# KiCad board 8851_HW-U1-VCU118_REV2-0_071417.kicad_pcb (continued)
## Routing (per net, layer and track width the routed paths; a pad name or vN(x,y) marks a point on that pad's centre or on a via; arc(x,y) is an arc through that point) (continued)
PCIE_TX15_C_P: length 14.5
  TOP w0.145: 124.59,15.38 124.59,14.07 v3(124.66,14)
  10_GND w0.16: U2.A80 124.66,5.23 arc(125.58,5.05) 124.8,5.57 124.96,5.74 arc(125,5.8) 125.02,5.88 125.02,13.57 arc(125.01,13.64) 124.97,13.69 v3(124.66,14)
PCIE_TX15_N: length 45.2
  TOP w0.145: v3(125.64,17.74) 125.71,17.67 125.71,16.36 ; v2(138.03,45.12) 137.54,45.61
  05_SIG2 w0.18: v3(125.64,17.74) 125.56,17.82 arc(126.88,18.7) 125.32,18.39 125.32,18.61 arc(125.39,18.77) 125.55,18.84 125.76,18.84 arc(126.12,19.2) 125.76,19.56 125.68,19.56 arc(125.94,20.17) 125.32,19.92 125.32,20.47 arc(126.02,20.33) 125.43,20.73 125.66,20.96 arc(125.83,21.22) 125.89,21.52 125.89,21.76 arc(126.01,22.34) 126.34,22.84 127.7,24.2 arc(128.17,24.91) 128.34,25.74 128.34,26.21 arc(129.44,26) 128.51,26.62 129.02,27.14 arc(129.16,27.23) 129.32,27.26 arc(129.73,27.34) 130.08,27.58 131.77,29.26 arc(132.34,30.12) 132.54,31.13 132.54,33.02 arc(132.85,34.57) 133.73,35.89 136.63,38.78 arc(136.91,39.2) 137.01,39.7 137.01,40.1 arc(137.1,40.55) 137.35,40.94 137.99,41.57 arc(138.14,41.8) 138.2,42.08 arc(138.2,42.15) 138.2,42.22 138.2,42.22 arc(138.22,42.34) 138.29,42.44
  05_SIG2 w0.234: v2(138.03,45.12) 138.42,44.73 arc(138.49,44.62) 138.52,44.48 138.52,44.14 138.52,43 arc(138.46,42.7) 138.29,42.44
PCIE_TX15_P: length 41.8
  TOP w0.145: 124.59,16.36 124.59,17.67 v3(124.66,17.74) ; 137.54,46.6 v2(138.03,46.11)
  05_SIG2 w0.18: v3(124.66,17.74) 124.82,17.9 arc(124.97,18.13) 125.02,18.39 125.02,20.47 arc(125.07,20.73) 125.22,20.94 125.45,21.17 arc(125.56,21.33) 125.59,21.52 125.59,21.76 arc(125.73,22.46) 126.13,23.05 127.49,24.41 arc(127.89,25.02) 128.04,25.74 128.04,26.21 arc(129.71,25.88) 128.29,26.83 128.81,27.35 arc(129.04,27.5) 129.32,27.56 arc(129.62,27.62) 129.87,27.79 131.55,29.47 arc(132.06,30.23) 132.24,31.13 132.24,33.02 arc(132.57,34.69) 133.52,36.1 136.41,38.99 arc(136.63,39.32) 136.71,39.7 136.71,40.1 arc(136.82,40.67) 137.14,41.15 137.77,41.78 arc(137.86,41.92) 137.9,42.08 arc(137.9,42.15) 137.9,42.22 137.9,42.26 arc(137.86,42.42) 137.77,42.57
  05_SIG2 w0.234: v2(138.03,46.11) 137.65,45.73 arc(138.29,45.3) 137.54,45.45 137.54,43.25 arc(137.6,42.89) 137.77,42.57
PCIE_WAKE_B: length 86.7
  TOP w0.15: v3(53.29,18.09) 54.2,17.17 55.1,17.17 56.5,15.78 56.5,10.05 54.38,7.93 54.38,6.35 54.77,5.95 U2.B11
  20_SIG7 w0.087: v3(53.29,18.09) 53.29,18.03 52.89,17.63 47.83,17.63 47.1,16.9 45.08,16.9 42.57,19.41 42.57,32.13 43.25,32.81 44.69,32.81 52.86,40.98 53.91,40.98 57.92,44.99 57.92,46.71 65.1,53.89 65.1,56.83 v3(65.7,57.42)
  BOTTOM w0.15: 60.73,52.33 60.73,53.55 64.61,57.42 v3(65.7,57.42)
PCIE_WAKE_B_LS: length 195.2
  TOP w0.15: v2(136.06,65.79) 135.57,65.3
  05_SIG2 w0.17: v3(51.75,66.13) 51.75,66.53 52.24,67.01 57.38,67.01 62.26,62.12 v3(65.28,62.12)
  14_SIG4 w0.087: v3(80.18,21.44) 78.42,23.19 76.16,23.19 74.86,21.89 68.71,21.89 67.78,22.83 67.78,24.38 67.33,24.83 65.97,24.83 65.7,24.55 65.17,24.55 64.54,25.18 64.54,29.85 62.93,31.46 62.38,31.46 60.89,32.95 60.05,32.95 59.03,33.97 59.03,35.54 57.52,37.05 53.5,37.05 51.82,38.72 51.82,40.14 53.22,41.54 54.4,41.54 57.07,44.21 57.07,51.8 57.73,52.45 57.73,55.55 57.94,55.77 57.94,56.83 52.27,62.5 52.27,65.6 v3(51.75,66.13)
  16_SIG5 w0.087: v2(136.06,65.79) 135.57,66.28 131.92,66.28 131.63,66.57 131.63,67.1 131.46,67.27 128.97,67.27 128.68,66.98 128.68,66.57 128.39,66.28 117,66.28 115.94,65.22 115.08,65.22 113.91,64.06 113.91,57.71 113.63,57.42 113.62,57.42 113.22,57.42 112.93,57.14 112.93,41.95 112.87,41.88 112.87,39.81 109.23,36.17 109.23,29.76 108.21,28.74 108.21,25.81 106.61,24.2 103.45,24.2 101.82,22.57 101.82,21.54 100.84,20.55 99.81,20.55 99.6,20.77 90.91,20.77 90.64,20.49 88.13,20.49 87.64,20.99 80.72,20.99 80.28,21.44 v3(80.18,21.44)
  BOTTOM w0.15: v3(65.28,62.12) 63.55,62.12 60.73,59.31 60.73,58.08
PHY1_CLKOUT: length 179.4
  TOP w0.15: 129.66,64.31 v2(130.15,63.82) ; 29.13,135.9 28.82,135.9 v3(28.32,135.4)
  16_SIG5 w0.087: v3(57.48,78.65) 57.18,78.65 56.68,79.15 56.68,80.04 57.17,80.53 57.17,99.4 58.05,100.28 58.05,104.95 57.55,105.45 57.55,105.7 57.15,106.1 53.3,106.1 51.42,107.98 51.42,125.67 50.8,126.3 50.8,130.6 48.63,132.77 48.63,135.87 48.27,136.22 44.05,136.22 42.13,138.15 40.7,138.15 37.58,135.03 30.27,135.03 29.9,135.4 v3(28.32,135.4)
  BOTTOM w0.15: v2(130.15,63.82) 129.85,63.82 129.07,64.6 128.15,64.6 127.62,65.12 127.2,65.12 126.71,65.62 126.71,65.99 126.41,66.28 117.06,66.28 116.67,66.67 116.67,67.1 115.52,68.25 112.28,68.25 111.92,67.9 111.92,67.54 111.63,67.25 111.25,67.25 111,67 111,66.65 110.67,66.33 108.28,66.33 108.01,66.59 108.01,67.12 107.86,67.27 107.21,67.27 107.02,67.45 107.02,67.95 106.7,68.28 106.1,68.28 105.95,68.42 105.95,69.03 105.7,69.28 105.25,69.28 105.06,69.47 105.06,69.94 104.78,70.22 104.28,70.22 104.07,70.43 104.07,71.05 103.92,71.2 103.22,71.2 103.05,71.38 103.05,71.93 102.79,72.19 102.29,72.19 102.1,72.37 102.1,73 101.93,73.17 101.3,73.17 101.12,73.36 101.12,73.88 100.85,74.15 100.43,74.15 100.13,74.44 100.13,74.86 99.86,75.14 99.41,75.14 99.15,75.4 99.15,75.85 98.87,76.12 88.03,76.12 84.97,79.17 81.25,79.17 80.62,78.55 80.62,75.72 80.33,75.42 65.42,75.42 64.3,76.55 64.3,77.65 62.43,79.52 58.34,79.52 v3(57.48,78.65)
PHY1_GPIO_0: length 240.8
  TOP w0.138: v3(40.5,135.69) 39.64,135.69
  TOP w0.15: v3(39.02,39) 40.01,38.01 64.67,38.01 66.23,36.45 66.23,30.49 67.74,28.98 72.31,28.98 75.18,31.85 80.72,31.85 88.25,39.38 124.41,39.38 v2(126.22,41.18) ; 127.69,63.33 v2(128.19,62.84)
  07_SIG3 w0.17: v3(39.02,39) 38.36,38.34 35.43,38.34 29.77,44 29.77,65.64 28.12,67.29 28.12,73.19 31.81,76.87 31.81,79.08 33.7,80.97 33.7,88.45 38.4,93.15 38.9,93.15 40.55,94.8 40.55,97.57 42.27,99.3 42.27,103.2 41.85,103.63 41.17,103.63 39.95,104.85 39.95,106.67 38.8,107.83 38.8,114.15 36.02,116.92 36.02,125.4 39.08,128.45 39.08,129.78 41.73,132.43 41.73,135.03 41.06,135.69 v3(40.5,135.69)
  14_SIG4 w0.087: v2(128.19,62.84) 127.79,62.44 127.79,59.64 127.45,59.29 127.04,59.29 126.77,59.03 126.77,46.63 126.81,46.6 126.81,44.5 126.68,44.37 126.68,41.65 v2(126.22,41.18)
PHY1_MDC: length 208.6
  TOP w0.102: 33.66,131.98 33.24,131.98 33.12,132.1 33.12,132.33 33.25,132.45 34.38,132.45 34.88,132.95 34.88,133.25 34.99,133.37 U7.16
  TOP w0.15: 130.65,64.31 v2(131.14,63.82) ; 32.8,138.64 32.11,138.64 31.84,138.36 31.47,138.36 31.09,138.36 v3(30.87,138.15) 30.62,138.4 R27.2
  03_SIG1 w0.17: J13.1 20.2,124.75 26.98,124.75 27.62,125.4 27.62,129.3 26.98,129.95 26.98,131.5 26.23,132.25 26.23,136.03 28,137.8 29.32,137.8 29.68,138.15 v3(30.87,138.15)
  16_SIG5 w0.087: v3(57.15,79.47) 57.63,79.96 57.63,92.96 58.67,94 58.67,99.55 58.92,99.8 58.92,105 57,106.93 57,108.12 55.85,109.27 55.38,109.27 54.77,109.88 53.02,109.88 52.02,110.88 52.02,125.72 51.26,126.49 51.26,130.79 49.17,132.89 49.17,138.51 47.38,140.3 44.92,140.3 44.77,140.46 40.86,140.46 40.42,140.03 32.75,140.03 v3(30.87,138.15)
  BOTTOM w0.15: v2(131.14,63.82) 131.14,64.23 130.57,64.81 129.97,64.81 129.5,65.28 128.87,65.28 128.68,65.47 128.68,65.99 128.38,66.28 127.99,66.28 127.69,66.58 127.69,66.97 127.4,67.27 126.99,67.27 126.71,67.55 126.71,67.95 126.41,68.25 117.12,68.25 116.7,68.67 116.7,69.03 115.51,70.22 112.27,70.22 111.9,69.85 111.9,69.45 111.72,69.28 111.22,69.28 111,69.05 111,68.58 110.75,68.33 108.2,68.33 108.03,68.5 108.03,68.92 107.72,69.22 107.28,69.22 107.02,69.48 107.02,69.92 106.73,70.22 106.38,70.22 106.04,70.56 106.04,70.98 105.82,71.2 105.35,71.2 105.08,71.48 105.08,71.95 104.84,72.19 104.41,72.19 104.07,72.53 104.07,72.88 103.78,73.17 103.38,73.17 103.09,73.47 103.09,73.85 102.78,74.16 102.4,74.16 102.1,74.45 102.1,74.84 101.79,75.16 101.4,75.16 101.12,75.44 101.12,75.85 100.84,76.12 100.43,76.12 100.13,76.42 100.13,76.83 99.86,77.11 99.43,77.11 99.16,77.38 99.16,77.81 98.87,78.09 90.83,78.09 87.27,81.65 81.12,81.65 80.88,81.4 80.88,80.47 80.1,79.7 66.17,79.7 65.65,80.22 57.9,80.22 v3(57.15,79.47)
PHY1_MDIO: length 269.4
  TOP w0.15: 32.8,138.15 32.11,138.15 31.98,138.01 31.64,138.01 31.49,138.01 31.08,137.61 31.08,137.38 v3(30.85,137.15) R26.2 ; v3(41.7,39.17) 42.29,38.59 64.71,38.59 66.61,36.69 66.61,30.6 67.89,29.33 72,29.33 74.96,32.28 80.51,32.28 88.24,40.01 124.06,40.01 v2(125.23,41.18) ; 127.69,64.31 v2(128.19,63.82)
  03_SIG1 w0.17: J16.1 20.65,122.58 28.1,122.58 29.93,124.4 29.93,131.22 29.65,131.5 29.65,135.95 v3(30.85,137.15)
  07_SIG3 w0.17: v3(36.62,121.8) 36.62,120.45 38.46,118.62 38.46,117.21 38.42,117.18 38.42,116.2 39.52,115.1 39.52,107.97 40.5,107 40.5,105.08 41.4,104.17 42.25,104.17 43.08,103.35 43.08,96.16 39.07,92.16 39.06,92.16 38.77,91.86 38.77,91.85 36.85,89.94 36.85,84.98 35.01,83.14 35.01,78.95 29.09,73.03 29.09,67.72 29.09,67.1 30.65,65.53 30.65,65.35 30.65,45.09 36,39.75 41.12,39.75 v3(41.7,39.17)
  14_SIG4 w0.087: v2(128.19,63.82) 127.59,63.23 127.59,59.72 127.36,59.49 126.92,59.49 126.6,59.17 126.6,46.56 126.64,46.52 126.64,44.84 126.4,44.6 125.97,44.6 125.8,44.44 125.8,41.75 v2(125.23,41.18)
  16_SIG5 w0.087: v3(36.62,121.8) 22.4,121.8 21.02,120.42 J16.1
PHY1_PDWN_B_I_INT_B_O: length 253.4
  TOP w0.102: 33.03,152.97 33.83,152.97 33.91,152.89 33.91,152.24 35.38,150.78 35.38,148.33 35.05,148 35.05,143.23 35.62,142.65 35.62,141.59 35.48,141.45 U7.44
  TOP w0.138: 42.5,138.93 v3(41.62,138.93) 40.84,138.15 39.64,138.15
  TOP w0.15: v3(32.94,64.62) 30.59,66.97 30.59,88.39 26.23,92.75 v3(22.95,92.75) ; 127.69,65.3 v2(128.19,65.79)
  07_SIG3 w0.17: v3(22.95,92.75) 22.95,96.5 21.6,97.85 21.6,100.67 22,101.08 22,107.3 23.15,108.45 25.43,108.45 30.2,113.22 31.35,113.22 35.35,117.22 35.35,125.97 37.83,128.45 37.83,131.15 39.67,133 39.67,138.2 40.4,138.93 v3(41.62,138.93)
  14_SIG4 w0.087: v2(121.3,41.18) 120.81,41.67 120.81,43.35 121.11,43.65 121.5,43.65 121.78,43.94 121.78,43.96 121.79,43.97 121.79,45.41 121.98,45.61 122.5,45.61 122.76,45.88 122.76,49.34 122.98,49.56 123.06,49.56 123.06,49.56 123.47,49.56 123.47,49.56 123.55,49.56 123.76,49.77 123.76,50.37 123.86,50.47 123.86,60.06 124.08,60.28 124.36,60.28 124.64,60.56 124.64,61.54 124.84,61.74 124.84,62.06 125.02,62.25 125.72,62.25 125.83,62.35 126.5,62.35 126.71,62.56 126.71,64.32 v2(128.19,65.79)
  BOTTOM w0.15: v2(121.3,41.18) 120.69,40.57 84.46,40.57 81.87,37.98 37.06,37.98 35.56,39.49 35.56,60.52 32.94,63.13 v3(32.94,64.62)
PHY1_RESET_B: length 213.5
  TOP w0.102: 35.03,152.97 34.27,152.97 34.14,152.84 34.14,152.34 35.6,150.88 35.6,148.23 35.27,147.91 35.27,143.32 35.85,142.74 35.85,141.55 35.97,141.43 U7.43
  TOP w0.138: 42.5,137.8 41.94,137.8 v3(41.7,137.56) 41.45,137.8 41.07,137.8 41,137.72 40.24,137.72 40.17,137.65 39.64,137.65
  TOP w0.15: 133.6,62.35 v2(134.09,61.85)
  05_SIG2 w0.17: v3(65.3,72.65) 66.24,73.59 66.24,76.78 64.7,78.33 58.6,78.33 55.1,74.83 50.96,74.83 50.41,75.38 v3(49.13,75.38)
  16_SIG5 w0.087: v3(49.13,75.38) 49.44,75.68 49.44,79.05 49.08,79.41 49.08,84.95 43.37,90.66 43.37,92.16 40.61,94.91 40.61,97.39 39.79,98.21 38.71,98.21 38.11,98.81 38.11,106.55 38.73,107.17 38.73,115.42 40,116.7 41,116.7 42.33,118.02 42.33,124.4 41.58,125.15 39.98,125.15 38.95,126.17 38.95,129.78 41.75,132.58 41.75,135.7 41.15,136.3 41.15,137.01 v3(41.7,137.56) 42.07,137.56 43.6,136.03 43.6,135.18 43.95,134.83 44.58,134.83 45.2,134.2 47.45,134.2 48.17,133.48 48.17,131.56 J11.1
  BOTTOM w0.111: 130.65,59.63 130.78,59.49 132.31,59.49 132.52,59.69 132.52,60.28 132.71,60.48 133.32,60.48 133.5,60.66 133.5,61.13 134.09,61.72 v2(134.09,61.85)
  BOTTOM w0.15: v3(65.3,72.65) 67.69,70.26 80.1,70.26 80.92,69.43 80.92,66.95 81.32,66.55 81.9,66.55 82.78,65.67 82.78,61.05 83.44,60.39 88.65,60.39 92.59,64.33 111.53,64.33 112.5,65.3 115.9,65.3 116.58,64.62 126.1,64.62 126.71,64.02 126.71,63.61 126.99,63.33 127.4,63.33 127.68,63.04 127.68,62.65 127.97,62.36 128.36,62.36 128.68,62.05 128.68,61.62 128.94,61.36 129.36,61.36 129.66,61.06 129.66,60.67 129.96,60.38 130.42,60.38 130.65,60.15 130.65,59.63
PHY1_SGMII_CLK_C_N: length 7.4
  TOP w0.102: 40.87,130.85 40.21,130.85 40.15,130.79 39.09,130.79 39.02,130.73 38.37,130.73 38.38,130.74 R205.1 37.93,132.4 37.93,133.36 37.94,133.37 37.94,133.99
  BOTTOM w0.375: 41,131 41,130.8 v3(41.88,129.93)
PHY1_SGMII_CLK_C_P: length 6
  TOP w0.102: 37.45,133.99 37.45,133.58 37.71,133.32 37.71,132.04 37.61,131.93 37.27,131.93 37.27,130.75 37.25,130.73 36.15,130.73 36.14,130.73 34.98,130.73
PHY1_SGMII_CLK_N: length 243.5
  TOP w0.102: 38.37,129.74 v3(38.37,129.07) ; 129.66,63.33 v2(130.15,62.84)
  16_SIG5 w0.075: 116.25,40.97 116.25,40.99 116.29,41.03 116.29,54.83 116.77,55.31 116.77,62.11 117.1,62.44 127.38,62.44 127.6,62.66 127.6,63.11 127.91,63.43 129.46,63.43 129.75,63.13 129.75,62.93 129.84,62.84 v2(130.15,62.84)
  16_SIG5 w0.087: 116.25,40.97 116.25,39.02 118.41,36.86 118.41,33.39 117.02,32 117.02,30.11 114.87,27.96 114.87,23.67 110.99,19.79 110.99,18.65 111.43,18.21 111.43,17.53 110.67,16.77 103.92,16.77 103.39,16.24 99.49,16.24 99.1,16.62 87.41,16.62 86.9,17.14 82.2,17.14 81.68,16.62 78.33,16.62 77.8,17.15 75.46,17.15 73.81,18.8 61.96,18.8 61.2,19.56 61.2,22.04 61.63,22.46 61.63,26.02 61.21,26.43 61.21,31.08 59.41,32.88 59.41,44.64 58.57,45.47 58.57,49.54 60,50.97 60,57.48 57.14,60.33 55.37,60.33 53.33,62.36 53.33,67.85 47.99,73.19 46.88,73.19 46.11,73.96 46.11,78.49 42.05,82.55 42.05,91.98 41.25,92.77 41.25,93.42 37.55,97.12 37.55,107.53 36.22,108.86 36.22,118.52 39.9,122.2 39.9,123.4 37.95,125.35 37.95,127.76 38.03,127.84 38.09,127.84 38.17,127.93 38.17,128.11 38.09,128.19 38.03,128.19 37.95,128.28 37.95,128.86 37.95,128.99 38.03,129.07 v3(38.37,129.07)
PHY1_SGMII_CLK_P: length 243.5
  TOP w0.102: 128.68,63.33 v2(129.17,62.84) ; 37.25,129.75 v3(37.25,129.08)
  16_SIG5 w0.075: 116.53,40.97 116.53,40.99 116.49,41.03 116.49,54.75 116.96,55.22 116.96,62.03 117.19,62.25 127.46,62.25 127.79,62.58 127.79,63.03 127.99,63.23 129.38,63.23 129.56,63.05 129.56,62.91 129.48,62.84 v2(129.17,62.84)
  16_SIG5 w0.087: v3(37.25,129.08) 37.58,129.07 37.67,128.99 37.67,128.86 37.67,125.24 39.62,123.29 39.62,122.31 35.94,118.63 35.94,108.75 37.27,107.41 37.27,97.01 40.98,93.31 40.98,92.66 41.77,91.87 41.77,82.44 45.83,78.38 45.83,73.85 46.77,72.91 47.88,72.91 53.06,67.74 53.06,62.25 55.25,60.06 57.03,60.06 59.72,57.37 59.72,51.08 58.3,49.66 58.3,45.36 59.13,44.53 59.13,32.77 60.93,30.97 60.93,26.32 61.35,25.9 61.35,22.58 60.92,22.15 60.92,19.45 61.85,18.52 73.7,18.52 75.35,16.88 77.69,16.88 78.21,16.35 81.79,16.35 82.31,16.87 86.78,16.87 87.3,16.35 98.99,16.35 99.37,15.96 103.5,15.96 104.04,16.5 110.79,16.5 111.71,17.42 111.71,18.33 111.27,18.76 111.27,19.68 115.15,23.55 115.15,27.85 117.3,30 117.3,31.88 118.69,33.27 118.69,36.97 116.53,39.13 116.53,40.97
PHY1_SGMII_IN_N: length 252.2
  TOP w0.102: v3(33.74,129.58) 33.42,129.89 33.42,130.25 33.15,130.53 33.15,130.88 33.27,131 33.66,131 ; v2(131.14,61.85) 130.65,62.35
  16_SIG5 w0.075: 117.15,40.85 117.15,40.87 117.19,40.91 117.19,41.26 116.75,41.71 116.75,54.28 117.04,54.57 117.59,54.57 117.75,54.73 117.75,61.14 118.07,61.46 128.36,61.46 128.58,61.68 128.58,62.12 128.91,62.44 130.48,62.44 130.74,62.19 130.74,61.95 130.83,61.85 v2(131.14,61.85)
  16_SIG5 w0.087: 117.15,40.85 117.15,39.74 119.22,37.66 119.22,30.98 118.07,29.83 118.07,28.29 115.69,25.91 115.69,19.54 113.87,17.73 112.74,17.73 110.76,15.75 107.69,15.75 106.71,14.78 104.11,14.78 103.41,15.48 99.71,15.48 98.89,14.65 91.95,14.65 90.84,15.75 86.98,15.75 86.37,16.37 82.88,16.37 81.88,15.37 76.51,15.37 76.06,14.93 73.75,14.93 72.93,15.75 67.31,15.75 66.53,16.52 61.17,16.52 59.02,18.68 59.02,26.86 57.88,27.99 57.88,30.45 58.22,30.78 58.22,32.97 57.14,34.05 57.14,37.65 56.57,38.22 56.57,42.93 57.52,43.88 57.52,50.16 58.61,51.25 58.61,57.47 57.07,59.01 55.28,59.01 52.54,61.75 52.54,67.38 48.11,71.81 46.67,71.81 43.93,74.55 43.93,77.9 40.94,80.89 40.94,90.78 40.3,91.42 40.3,91.8 35.92,96.18 35.92,103.69 35.02,104.6 35.02,118.59 37.42,121 37.42,122.62 33.42,126.63 33.42,128.25 33.51,128.34 33.61,128.34 33.7,128.43 33.7,128.6 33.61,128.69 33.51,128.69 33.42,128.78 33.42,129.26 v3(33.74,129.58)
PHY1_SGMII_IN_P: length 252.2
  TOP w0.102: v3(32.83,129.58) 33.2,129.95 33.2,130.16 32.92,130.43 32.92,130.85 32.78,131 32.39,131 ; v2(130.15,61.85) 129.66,62.35
  16_SIG5 w0.075: 117.43,40.85 117.43,40.87 117.39,40.91 117.39,41.34 116.94,41.79 116.94,54.2 117.12,54.37 117.67,54.37 117.95,54.65 117.95,61.06 118.15,61.26 128.44,61.26 128.78,61.6 128.78,62.04 128.99,62.25 130.4,62.25 130.54,62.11 130.54,61.93 130.47,61.85 v2(130.15,61.85)
  16_SIG5 w0.087: v3(32.83,129.58) 33.14,129.26 33.14,126.52 37.15,122.51 37.15,121.11 34.74,118.71 34.74,104.48 35.64,103.58 35.64,96.07 40.02,91.69 40.02,91.31 40.67,90.67 40.67,80.77 43.65,77.79 43.65,74.44 46.56,71.53 48,71.53 52.27,67.27 52.27,61.63 55.16,58.73 56.96,58.73 58.33,57.36 58.33,51.36 57.24,50.28 57.24,43.99 56.3,43.04 56.3,38.1 56.86,37.54 56.86,33.94 57.94,32.86 57.94,30.89 57.61,30.56 57.61,27.88 58.74,26.75 58.74,18.57 61.06,16.25 66.42,16.25 67.19,15.48 72.81,15.48 73.64,14.65 76.17,14.65 76.62,15.1 82,15.1 82.99,16.09 86.25,16.09 86.86,15.48 90.73,15.48 91.83,14.38 99,14.38 99.83,15.2 103.3,15.2 104,14.5 106.83,14.5 107.8,15.48 110.88,15.48 112.85,17.45 113.99,17.45 115.96,19.43 115.96,25.8 118.34,28.18 118.34,29.71 119.5,30.87 119.5,37.78 117.43,39.85 117.43,40.85
PHY1_SGMII_OUT_C_N: length 8.5
  TOP w0.102: 42.5,134.43 R69.1 42.05,132.85 41.9,132.85 41.55,133.2 40.89,133.2 40.62,133.47 v3(40.62,133.5) 40.35,133.22 39.58,133.22 39.33,132.97 38.9,132.97 38.8,133.08 38.8,133.24 38.93,133.37 38.93,133.99
  BOTTOM w0.102: v3(40.62,133.5) 40.83,133.3 R69.1
PHY1_SGMII_OUT_C_P: length 8.9
  TOP w0.102: 38.43,133.99 38.43,133.37 38.58,133.23 38.58,132.97 38.8,132.75 39.42,132.75 39.67,133 40.38,133 v3(40.62,132.75) 40.85,132.97 41.45,132.97 42.25,132.18 42.25,131.98 43.5,131.98
  BOTTOM w0.102: v3(40.62,132.75) 40.85,132.97 41.3,132.97 41.4,132.88 41.4,132.68 41,132.27 41,131.98
PHY1_SGMII_OUT_N: length 236.1
  TOP w0.102: v2(131.14,65.79) 130.65,65.3 ; 43.49,133.3 43.91,132.88 43.91,132.72 v3(44.35,132.28)
  TOP w0.375: U1.AV24 v2(117.36,50.04)
  16_SIG5 w0.075: v2(131.14,65.79) 130.71,65.79 130.54,65.96 130.54,66.16 130.32,66.38 128.89,66.38 128.58,66.07 128.58,65.63 128.23,65.27 116.63,65.27 116.18,64.83 115.35,64.83 114.8,64.28 114.8,56.64 114.7,56.54 114.02,56.54 113.82,56.34 113.82,48.73 113.8,48.71 113.8,46.55 113.83,46.51 113.83,43.69 113.8,43.65 113.8,41.54 113.76,41.5 113.76,41.49
  16_SIG5 w0.087: v3(44.35,132.28) 44.38,132.28 44.64,132.01 46.05,132.01 46.48,131.59 46.48,129.76 45.33,128.61 45.33,125.6 43.3,123.58 43.3,117.96 41.31,115.96 40.51,115.96 39.62,115.08 39.62,107.68 40.53,106.77 40.53,98.97 52.58,86.92 52.58,79.98 54.29,78.27 54.74,78.27 55.65,77.36 55.65,72.95 54.1,71.4 54.1,65.51 60.92,58.69 60.92,50.05 60.43,49.56 60.43,39.24 64.7,34.97 64.7,30.43 67.12,28.01 75.8,28.01 79.44,24.37 79.44,21.5 80.42,20.52 87.36,20.52 87.88,20 90.96,20 91.2,20.24 99.38,20.24 99.63,19.98 101.51,19.98 103.22,21.69 107.63,21.69 108.22,22.28 108.22,23.98 108.71,24.48 109.49,24.48 109.99,24.98 109.99,31.24 110.52,31.76 110.52,35.64 113.76,38.88 113.76,41.49
PHY1_SGMII_OUT_P: length 235.5
  TOP w0.102: v3(44.38,131.47) 43.9,131 43.5,131 ; v2(130.15,65.79) 129.66,65.3
  16_SIG5 w0.075: v2(130.15,65.79) 130.34,65.98 130.34,66.08 130.24,66.18 128.97,66.18 128.78,65.99 128.78,65.55 128.31,65.08 116.71,65.08 116.26,64.63 115.43,64.63 115,64.2 115,56.56 114.78,56.34 114.1,56.34 114.01,56.26 114.01,48.65 113.99,48.63 113.99,46.63 114.03,46.59 114.03,43.61 113.99,43.57 113.99,41.54 114.03,41.5 114.03,41.49
  16_SIG5 w0.087: 114.03,41.49 114.03,38.76 110.79,35.52 110.79,31.65 110.27,31.12 110.27,24.87 109.6,24.2 108.82,24.2 108.49,23.87 108.49,22.17 107.74,21.42 103.33,21.42 101.63,19.71 99.52,19.71 99.27,19.96 91.31,19.96 91.07,19.72 87.77,19.72 87.24,20.25 80.3,20.25 79.16,21.39 79.16,24.26 75.68,27.74 67.01,27.74 64.42,30.32 64.42,34.85 60.15,39.12 60.15,49.67 60.65,50.16 60.65,58.58 53.83,65.4 53.83,71.51 55.38,73.07 55.38,77.25 54.63,77.99 54.18,77.99 52.3,79.87 52.3,86.81 40.25,98.86 40.25,106.66 39.35,107.56 39.35,115.19 40.4,116.24 41.19,116.24 43.02,118.07 43.02,123.69 45.05,125.71 45.05,128.72 46.2,129.88 46.2,131.47 45.94,131.74 45.52,131.74 45.43,131.65 45.43,131.19 45.34,131.1 45.17,131.1 45.08,131.19 45.08,131.65 44.99,131.74 44.64,131.74 v3(44.38,131.47)
PMBUS_ALERT: length 480.9
  TOP w0.15: v3(180.26,45.08) 179.88,45.08 179.52,45.45 178.1,45.45 ; v3(163.93,140.04) 163.93,139.67 163.57,139.3 163.57,137.88 ; v3(174.63,41.83) 174.75,41.95 U165.13
  03_SIG1 w0.17: v3(175.68,138.6) 176.17,138.11 176.17,137.49 175.4,136.72 175.4,133.6 176.93,132.08 176.93,130.18 178.05,129.05 182.05,129.05 190.7,120.4 217.75,120.4 221.16,116.99 221.16,115.43 222.04,114.55 222.4,114.55 224.15,112.8 226.88,112.8 229.66,110.01 233.07,110.01 234.93,108.15 v3(235.51,108.15) ; v3(163.93,140.04) 164.69,140.8 165.83,140.8 166.62,140 166.62,128.04 165.29,126.7 165.29,120.99 160.82,116.52 160.82,115.78 160.11,115.07 159.19,115.07 157.84,113.72 157.1,113.72 156.83,113.99 156.01,113.99 154.86,112.85 154.86,112.24 153.85,111.23 153.6,111.23 v3(153.12,110.75) ; 231.8,34.27 230.59,35.48 228.24,35.48 227.19,34.42 v3(223.52,34.42) 222.88,33.79 220.77,33.79 220,33.03 209.95,33.03 205.76,28.85 196.5,28.85 196,29.35 192.75,29.35 190.05,26.65 189.1,26.65 188.62,27.12 188.62,28.13 186.16,30.6 183.7,30.6 v3(182.83,29.72) ; v3(210.43,50.48) 210.43,50.73 210.8,51.09 210.8,51.93 210.08,52.65 210.08,56.94 208.74,58.28 208.74,60.05 209.55,60.86 210.45,60.86 v3(211.07,60.25)
  05_SIG2 w0.17: v3(235.51,108.15) 234.78,107.41 234.78,104.62 234.12,103.97 234.12,102.42 232.57,100.88 232.57,98.47 227.11,93.01 227.11,90.65 225.04,88.58 225.04,80.09 221.84,76.88 219.15,76.88 217.06,74.8 217.06,64.76 215.06,62.76 213.57,62.76 v3(211.07,60.25) ; v3(47.73,123) 48.33,123.6 50.2,123.6 50.73,123.08 54.35,123.08 55.67,124.4 57.7,124.4 60.85,127.55 60.85,128.93 65.31,133.39 65.31,139.14 63.86,140.59 v3(63.08,140.59)
  07_SIG3 w0.17: v3(182.83,29.72) 181.53,31.02 181.53,43.82 v3(180.26,45.08) 181.55,46.38 181.55,48.72 182.9,50.08 188.25,50.08 189.41,48.91 194.96,48.91 195.99,49.95 201.66,49.95 202.7,48.9 208.86,48.9 v3(210.43,50.48) ; v3(163.93,140.04) 163.93,138.54 164.31,138.16 164.94,138.16 166.59,139.82 175.21,139.82 175.68,139.34 v3(175.68,138.6)
  BOTTOM w0.15: v3(174.63,41.83) 174.88,42.08 174.88,42.56 174.87,42.57 ; 154,111.65 153.65,111.65 153.12,111.12 v3(153.12,110.75) ; v3(63.08,140.59) 64.02,141.53 64.34,141.53 69.14,146.32 122.4,146.32 125.92,142.8 125.92,141.5 125.29,140.87 125.29,140.57 125.73,140.12 140.28,140.12 142.59,142.44 162.74,142.44 163.93,141.24 v3(163.93,140.04) ; 222.04,38.15 222.04,35.21 222.2,35.05 222.7,35.05 222.82,34.93 R500.2 v3(223.52,34.42) ; v3(210.43,50.48) 210.81,50.48 211.34,49.95 211.34,49.6 ; 46.85,122.09 47.2,122.09 47.73,122.62 v3(47.73,123) ; v3(182.83,29.72) 183.17,29.38 183.6,29.38 183.98,28.99 183.98,28.72 ; v3(175.68,138.6) 176.06,138.6 176.59,138.07 176.59,137.73 ; 210.16,61.12 210.16,60.78 210.69,60.25 v3(211.07,60.25)
  BOTTOM w0.175: v3(235.51,108.15) 235.34,107.98 234.32,107.98
  BOTTOM w0.25: v3(154.02,110.73) 154.29,111 U9.9
PMBUS_ALERT_FPGA: length 137.1
  TOP w0.15: 134.58,64.31 v2(135.08,63.82)
  TOP w0.375: U1.BB23 v2(115.39,46.11)
  20_SIG7 w0.087: v2(135.08,63.82) 136.32,65.06 142.4,65.06 146.69,69.35 146.69,78.1 147.54,78.95 150.95,78.95 151.3,79.3 151.3,79.63 152.12,80.45 169.47,80.45 172.3,77.62 176.1,77.62 178.75,74.97 178.75,74.57 180.74,72.58 180.74,67.59 184.03,64.3 184.03,59.01 185.18,57.86 190.14,57.86 192.52,55.49 194.8,55.49 194.94,55.35 196.05,55.35 200.88,50.53 201.36,50.53 202.75,49.13 202.75,45.51 203.84,44.42 203.84,43.1 209.29,37.66 v3(227.22,37.66)
  BOTTOM w0.15: Q21.2 223.52,37.76 223.62,37.66 v3(227.22,37.66)
PMBUS_ALERT_SYSCTLR: length 343.3
  TOP w0.15: 10.93,130.09 v6(10.53,129.69) ; v3(62.7,127.62) 63.88,127.62 64.7,126.8 66.38,126.8 67.9,125.27 67.9,123.49 64.33,119.92 64.33,114.48 63.48,113.63 63.48,106.86 64.61,105.72 67.78,105.72 68.45,106.4 86.24,106.4 86.79,105.85 86.79,105.23 89.52,102.5 103.12,102.5 107.05,106.42 114.47,106.42 115.12,105.77 121.58,105.77 122.85,104.5 122.85,97 124.83,95.02 138.11,95.02 139.94,96.86 141.53,96.86 142.52,95.86 143.65,95.86 144.65,96.87 v3(144.65,97.98)
  TOP w0.375: U111.P11 v6(18.41,127.33)
  14_SIG4 w0.087: v3(62.7,127.62) 62.7,126.59 58.13,122.02 52.45,122.02 49.48,125 36.67,125 34.27,127.4 34.27,130.12 33.45,130.95 33.45,137.25 30.5,140.2 16.52,140.2 16,139.68 16,132.33 15.47,131.81 11.21,131.81 10.93,131.52 10.93,130.09 v6(10.53,129.69) ; v3(168.5,85.83) 168.5,96.27 169,96.77 169,99.85 168.18,100.67 167.18,100.67 165.45,102.4 165.04,102.4 164.35,103.09 164.35,104.08 162.55,105.88 152.36,105.88 150.06,103.58 150.06,102.51 149.48,101.92 146.28,101.92 145.03,100.67 145.03,98.35 v3(144.65,97.98)
  20_SIG7 w0.087: v3(226.07,35.17) 226.86,35.17 227.72,36.04 227.72,38.09 221.24,44.58 218.79,44.58 217.51,45.86 217.51,48.65 216.87,49.28 216.23,49.28 213.68,51.83 208.78,51.83 206.92,53.7 198.6,53.7 193.61,58.69 193.61,59.79 193.08,60.32 190.4,60.32 181.88,68.85 181.88,75.29 178.24,78.92 172.74,78.92 168.5,83.16 v3(168.5,85.83)
  BOTTOM w0.15: v3(226.07,35.17) 225.72,35.53 223.55,35.53 223.45,35.63 Q23.2
